# KiCad board Env-F12TKL.kicad_pcb (continued)
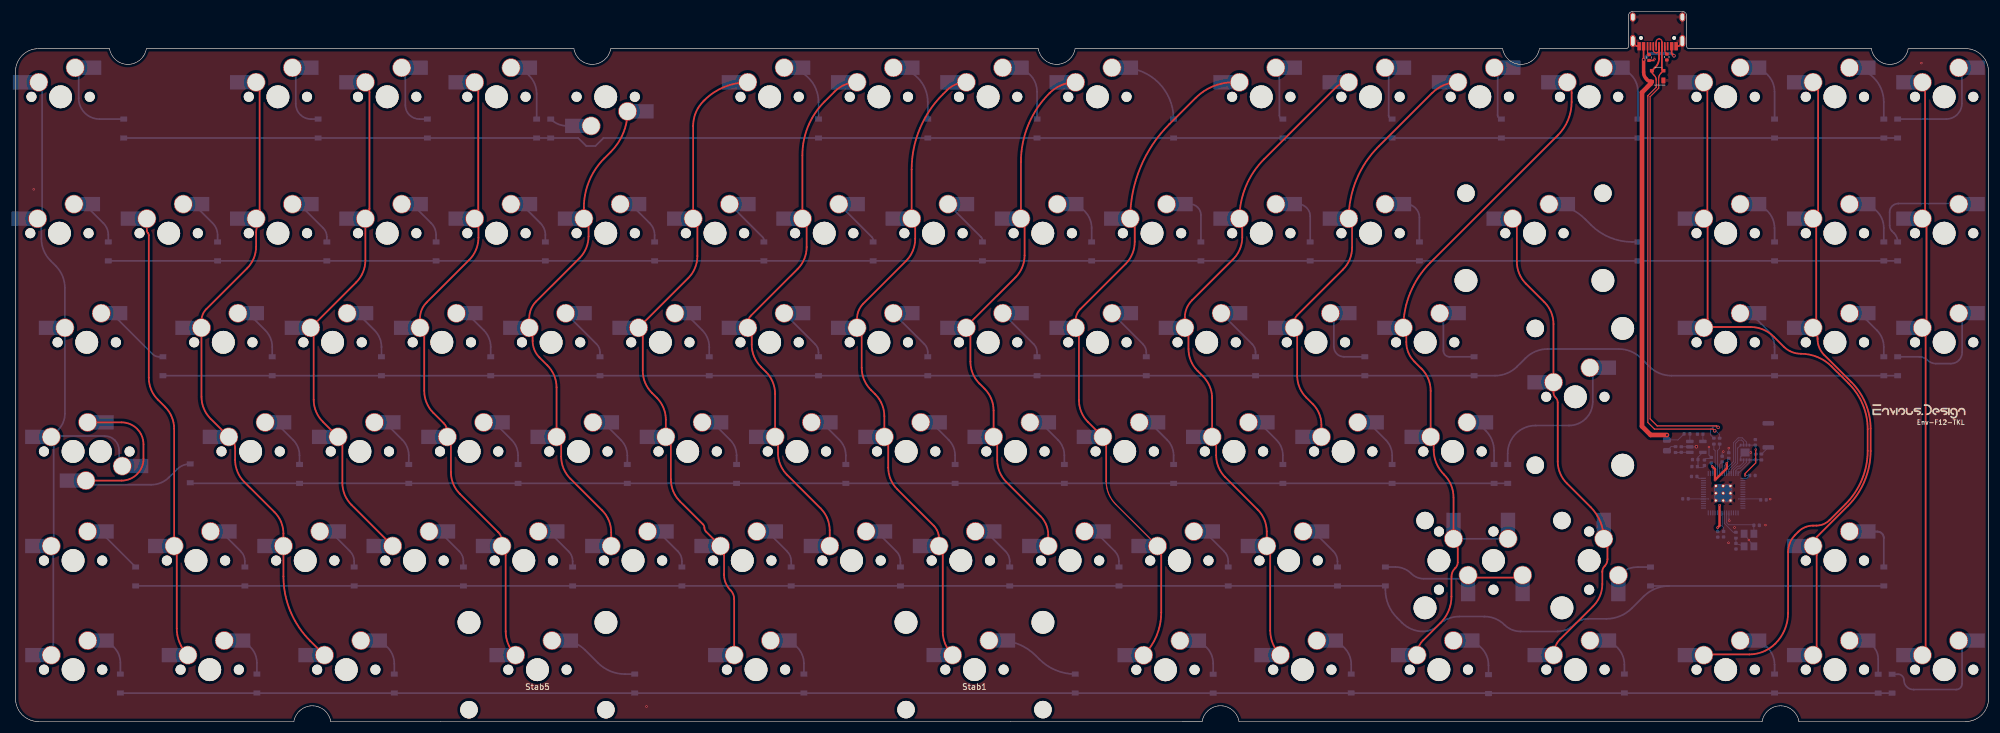
[diagram p0: board, top side]
## Nets (continued)
Net-(D_28-Pad2): D_28.2 K_28.2
Net-(D_29-Pad2): D_29.2 K_29.2
Net-(D_30-Pad2): D_30.2 K_30.2
Net-(D_31-Pad2): D_31.2 K_31.2
Net-(D_32-Pad2): D_32.2 K_32.2
Net-(D_33-Pad2): D_33.2 K_33.2
Net-(D_34-Pad2): D_34.2 K_34.2
Net-(D_35-Pad2): D_35.2 K_35.2
Net-(D_36-Pad2): D_36.2 K_36.2
Net-(D_37-Pad2): D_37.2 K_37.2
Net-(D_38-Pad2): D_38.2 K_38.2
Net-(D_39-Pad2): D_39.2 K_39.2
Net-(D_40-Pad2): D_40.2 K_40.2
Net-(D_41-Pad2): D_41.2 K_41.2
Net-(D_42-Pad2): D_42.2 K_42.2
Net-(D_43-Pad2): D_43.2 K_43.2
Net-(D_44-Pad2): D_44.2 K_44.2
Net-(D_45-Pad2): D_45.2 K_45.2
Net-(D_46-Pad2): D_46.2 K_46.2
Net-(D_47-Pad2): D_47.2 K_47.2
Net-(D_48-Pad2): D_48.2 K_48.2
Net-(D_49-Pad2): D_49.2 K_49.2
Net-(D_50-Pad2): D_50.2 K_50.2
Net-(D_51-Pad2): D_51.2 K_51.2 K_52.2
Net-(D_52-Pad2): D_52.2 K_91.2
Net-(D_53-Pad2): D_53.2 K_53.2
Net-(D_54-Pad2): D_54.2 K_54.2
Net-(D_55-Pad2): D_55.2 K_55.2
Net-(D_56-Pad2): D_56.2 K_56.2
Net-(D_57-Pad2): D_57.2 K_57.2
Net-(D_58-Pad2): D_58.2 K_58.2
Net-(D_59-Pad2): D_59.2 K_59.2
Net-(D_60-Pad2): D_60.2 K_60.2
Net-(D_61-Pad2): D_61.2 K_61.2
Net-(D_62-Pad2): D_62.2 K_62.2
Net-(D_63-Pad2): D_63.2 K_63.2
Net-(D_64-Pad2): D_64.2 K_64.2
Net-(D_65-Pad2): D_65.2 K_65.2
Net-(D_66-Pad2): D_66.2 K_66.2
Net-(D_67-Pad2): D_67.2 K_67.2
Net-(D_68-Pad2): D_68.2 K_68.2
Net-(D_69-Pad2): D_69.2 K_69.2
Net-(D_70-Pad2): D_70.2 K_70.2
Net-(D_71-Pad2): D_71.2 K_71.2
Net-(D_72-Pad2): D_72.2 K_72.2
Net-(D_73-Pad2): D_73.2 K_73.2
Net-(D_74-Pad2): D_74.2 K_74.2
Net-(D_75-Pad2): D_75.2 K_75.2
Net-(D_76-Pad2): D_76.2 K_76.2
Net-(D_77-Pad2): D_77.2 K_77.2 K_89.2
Net-(D_78-Pad2): D_78.2 K_78.2
Net-(D_79-Pad2): D_79.2 K_79.2
Net-(D_80-Pad2): D_80.2 K_80.2
Net-(D_81-Pad2): D_81.2 K_81.2
Net-(D_82-Pad2): D_82.2 K_82.2
Net-(D_83-Pad2): D_83.2 K_83.2
Net-(D_84-Pad2): D_84.2 K_84.2
Net-(D_85-Pad2): D_85.2 K_85.2
Net-(D_86-Pad2): D_86.2 K_86.2
Net-(D_87-Pad2): D_87.2 K_87.2
Net-(D_88-Pad2): D_88.2 K_88.2
Net-(D_89-Pad2): D_89.2 K_92.2
Net-(D_90-Pad2): D_90.2 K_90.2
Net-(F1-Pad1): F1.1 FB1.1
Net-(R6-Pad2): R6.2 U2.47
Net-(R7-Pad2): R7.2 U2.46
Net-(R_USB1-Pad2): R_USB1.2 USB1.10
Net-(R_USB2-Pad2): R_USB2.2 USB1.4

Pads without a net: USB1 3 9

## Via types
v1: diameter 0.4, hole 0.2, Top to Bottom, 21 vias
v2: diameter 0.6, hole 0.35, Top to Bottom, 6 vias

## Routing (per net, layer and track width the routed paths; a pad name or vN(x,y) marks a point on that pad's centre or on a via; arc(x,y) is an arc through that point)
3V3_EN: length 1.3
  Bottom w0.15: R4.1 291.93,48.92
+1V1: length 18.7
  Top w0.4: v1(298.37,45.12) 298.37,44.22 v1(296.31,42.16) 296.31,44.06 v1(295.81,44.56) ; v1(296.76,33.86) 297.11,34.2 v1(297.11,37.76)
  Bottom w0.15: C2.1 296.78,33.83 v1(296.76,33.86) 297.14,34.23 U2.23 ; C13.1 295.66,44.71 v1(295.81,44.56) 295.94,44.43 U2.45 ; U2.50 297.94,44.68 v1(298.37,45.12) 298.57,45.31 298.57,45.84
+3V3: length 30.1
  Top w0.2: v1(303.41,47.48) 303.41,45.16 301.56,43.31 v1(301.56,42.96)
  Bottom w0.15: U2.48 297.14,44.93 C6.1 ; U2.42 293.48,42.46 293.16,42.78 ; C14.1 302.29,48.26 ; 304.12,38.86 U2.10 300.4,38.86 300.38,38.88 ; U1.5 293.34,46.15 293.34,44.41 ; v1(301.56,42.96) 302.35,42.96 301.86,42.46 U2.1 ; R8.1 303.41,48.19 ; 291.66,38.86 U2.33 295.17,38.86 295.18,38.88 ; U2.22 297.54,34.16 297.81,33.88 C10.1 ; U2.49 297.54,45.33 ; 293.41,44.33 294.36,44.33
GND: length 17.5
  Top w0.2: R_USB1.1 285.55,115.42 v1(285.76,115.63)
  Top w0.3: USB1.12 282.89,117.9 arc(282.25,118.17) USB1.13 ; 289.52,117.9 289.7,117.9 arc(290.35,118.17) USB1.13
  Bottom w0.15: 295.47,45.93 294.73,45.93 C12.2 ; Y1.4 v1(302.22,31.7) 303.08,30.58 ; 298.74,35.43 298.74,35.3 298.74,35.3 ; 298.74,35.43 U2.19 ; 298.74,35.43 298.74,35.15 v1(298.81,35.08) ; v1(295.26,47.93) 295.26,46.52 C13.2 ; v1(297.76,47.13) 297.56,46.93 C6.2 ; v1(302.55,46.97) 302.54,46.98 FLASH1.9 300.79,46.23 FLASH1.4 ; C1.2 291.93,47.97 ; 298.71,46.94 v1(298.71,47.73)
  vias: v1(3.18,92.91) v1(110.02,2.62) v1(298.66,31.21) v1(299.71,33.88) v1(305.11,34.31) v1(305.94,38.83) v1(332.3,114.96) v2(293.06,47.98)
VBUS: length 84.7
  Top w0.3: v2(283.86,115.53) 283.85,115.54 USB1.11 ; USB1.2 288.75,116.64 v2(289.16,116.23)
  Top w0.6: 285.15,111.73 285.06,111.73 arc(284.83,111.78) 284.63,111.91 284.33,112.21 arc(283.98,112.73) 283.86,113.35 v2(283.86,115.53)
  Top w0.8: v2(287.93,50.03) 285.08,50.03 283.58,51.54 283.58,109.84 285.08,111.35 arc(285.11,111.49) 285.2,111.62 arc(285.21,111.69) 285.15,111.73
  Bottom w0.15: R4.2 289.84,49.16 F1.2 v2(287.93,50.03)
  Bottom w0.6: v2(289.16,116.23) 288.76,116.63 284.96,116.63 v2(283.86,115.53)
/QSPI_SCLK: length 8.1
  Bottom w0.15: FLASH1.6 301.29,48.8 300.96,49.13 300.46,49.13 299.91,48.58 299.91,45.27 298.74,44.09 U2.52
/QSPI_SD0: length 5.6
  Bottom w0.15: FLASH1.5 300.26,47.73 300.26,45.12 299.14,44 U2.53
/QSPI_SD1: length 3.4
  Bottom w0.15: U2.55 299.94,43.81 300.36,44.23 300.77,44.23 301.79,45.25 FLASH1.2
/QSPI_SD2: length 3.4
  Bottom w0.15: FLASH1.3 301.29,45.25 300.63,44.58 300.22,44.58 299.54,43.9 U2.54
/QSPI_SD3: length 9.3
  Bottom w0.15: U2.51 298.34,44.19 299.56,45.41 299.56,48.73 300.37,49.53 301.06,49.53 301.79,48.8 FLASH1.7
/QSPI_SS: length 6.4
  Bottom w0.15: FLASH1.1 302.29,45.26 U2.56 ; R8.2 302.3,45.68 R9.1
/USB_D+: length 83.7
  Top w0.2: v2(296.26,50.76) 295.95,51.06 285.75,51.06 284.59,52.23 284.59,109.26 286.06,110.73 286.06,111.95 286.06,112.05 286.03,112.25 285.96,112.44 285.87,112.62 285.75,112.78 285.68,112.86 285.45,113.09 285.41,113.14 285.34,113.25 285.31,113.37 285.31,113.43 ; USB1.6 286.55,117.23 arc(286.4,116.88) 286.05,116.73 arc(285.7,116.88) 285.55,117.23 USB1.8
  Top w0.3: D18.3 285.93,114.25 arc(286.39,114.94) 286.55,115.75 USB1.6
  Bottom w0.15: R6.1 297.11,50.11 296.46,50.76 v2(296.26,50.76)
/USB_D-: length 84.7
  Top w0.2: 287.06,117.9 287.06,118.68 arc(286.91,119.04) 286.56,119.18 286.55,119.18 arc(286.2,119.04) 286.05,118.68 USB1.7 ; v2(296.86,51.36) 296.6,51.62 286.22,51.62 284.99,52.85 284.99,109.09 286.49,110.59 286.49,112.34 286.52,112.56 286.59,112.77 286.69,112.96 286.82,113.14 286.9,113.22 287.18,113.5
  Top w0.3: USB1.5 287.05,114.08 arc(287.08,113.91) 287.18,113.76
  Bottom w0.15: R7.1 295.51,50.07 295.51,51.01 295.93,51.43 296.79,51.43 v2(296.86,51.36)
/~{USB_BOOT}: length 1.6
  Bottom w0.15: 304.44,46.7 J1.1
col0: length 113.7
  Bottom w0.3: 6.58,30.29 6.58,11.95 ; 18.06,45.16 18.06,47.33 arc(17.87,48.29) 17.32,49.11 arc(16.5,49.66) 15.53,49.85 6.38,49.85 ; K_34.1 8.61,75.71 arc(8.19,77.79) 7.01,79.55 6.1,80.46 arc(4.92,82.23) 4.51,84.31 4.51,87.13 ; 4.63,111.02 4.63,88.59 ; 6.66,49.26 6.66,31.08 ; 8.61,68.74 8.61,53.77 arc(8.3,52.21) 7.42,50.89 K_52.1
col1: length 77.1
  Top w0.3: K_66.1 27.66,51.11 arc(27.24,53.19) 26.06,54.95 24.83,56.19 arc(23.65,57.95) 23.23,60.04 23.23,84.92 arc(23.19,85.14) 23.06,85.33 arc(22.94,85.52) 22.89,85.74 22.89,87.8 ; 28.11,29.55 28.11,16.27 arc(28.61,13.74) K_80.1
col2: length 108.4
  Top w0.3: 46.71,30.64 46.71,25.33 arc(47.92,19.25) 51.37,14.09 K_81.1 ; K_67.1 46.71,32.83 arc(46.31,34.84) 45.16,36.55 39.88,41.84 arc(38.7,43.6) 38.28,45.69 38.28,47.81 arc(38.14,48.53) 37.73,49.15 ; 36.63,50.25 34.02,52.86 arc(32.84,54.63) 32.42,56.71 32.42,68.74 ; 32.42,69.96 arc(32.64,71.07) 33.27,72.02 40.35,79.1 arc(41.53,80.87) 41.95,82.95 41.95,85.4 arc(42.17,86.5) 42.79,87.44 ; 41.94,87.8 arc(42.4,88.48) 42.56,89.28 42.56,110.12 arc(42.4,110.93) K_1.1
col3: length 88.7
  Top w0.3: 61,87.79 61,80.53 arc(60.58,78.45) 59.4,76.68 K_36.1 ; 56.98,48.94 56.98,41.67 arc(57.4,39.59) 58.58,37.82 K_68.1 ; 51.98,68.23 51.98,56.2 arc(52.4,54.11) 53.58,52.35 K_54.1 ; 60.99,87.8 arc(61.52,88.59) 61.71,89.53 61.71,109.87 arc(61.52,110.81) K_2.1
col4: length 105.7
  Top w0.3: K_37.1 70.52,70.38 arc(70.82,71.89) 71.67,73.17 79.12,80.61 arc(80.3,82.38) 80.71,84.46 80.71,87.13 ; 71.26,68.01 71.26,57.74 arc(71.67,55.65) 72.85,53.89 74.66,52.08 arc(75.12,51.39) 75.28,50.58 ; 75.91,49.07 75.91,43.56 arc(76.32,41.48) 77.5,39.71 84.18,33.03 arc(84.64,32.34) 84.81,31.53 ; 80.04,87.8 arc(80.52,88.51) 80.68,89.35 80.68,110.05 arc(80.52,110.9) K_3.1 ; K_5.1 arc(85.91,13.51) 85.46,15.77 85.46,29.07 arc(85.29,29.92) K_69.1
col5: length 84.2
  Top w0.3: K_70.1 103.86,33.03 arc(103.44,35.11) 102.26,36.88 96.73,42.41 arc(95.55,44.18) 95.13,46.26 95.13,48.89 ; K_38.1 89.57,70.44 arc(89.88,72.01) 90.77,73.34 98.32,80.89 arc(99.5,82.65) 99.91,84.73 99.91,86.98 ; 99.09,87.8 99.09,89.72 arc(100.02,94.38) 102.66,98.33 103.78,99.45 arc(105.95,102.7) K_4.1 ; K_56.1 94.33,58.33 arc(93.92,60.41) 92.74,62.18 91.36,63.56 arc(90.47,64.89) 90.16,66.46 90.16,68.16
col6: length 112.6
  Top w0.3: 109.36,68.01 109.36,61.24 arc(109.77,59.15) 110.95,57.39 111.79,56.55 arc(112.97,54.79) 113.38,52.71 K_57.1 ; 118.88,87.06 118.88,81.27 arc(118.47,79.18) 117.29,77.42 K_39.1 ; 118.14,87.8 118.14,103.98 arc(118.61,106.32) 119.93,108.31 120.1,108.48 arc(123.57,110.8) K_6.1 ; K_82.1 125.3,21.39 arc(125.13,22.22) 124.66,22.93 arc(123.83,24.18) 123.53,25.65 123.53,29.13 arc(123.37,29.95) K_71.1 120.37,33.18 arc(120.18,33.47) 120.11,33.81 arc(120.04,34.15) 119.85,34.44 115.85,38.44 arc(114.67,40.2) 114.26,42.29 114.26,48.82
col7: length 91.1
  Top w0.3: K_58.1 132.43,57.21 arc(132.02,59.29) 130.84,61.05 129.95,61.94 arc(128.77,63.7) 128.36,65.79 128.36,68.06 ; 137.93,87.06 137.93,82.84 arc(137.52,80.75) 136.34,78.99 128.22,70.87 arc(127.81,70.26) 127.67,69.53 ; K_72.1 141.96,33.38 arc(141.54,35.46) 140.36,37.23 134.53,43.06 arc(133.35,44.83) 132.93,46.91 132.93,49.19 ; 137.19,87.8 137.19,98.9 arc(138.2,103.95) 141.06,108.23 142.82,110 arc(144.61,111.19) K_7.1
col8: length 109.6
  Top w0.3: 152.16,49.02 152.16,44.39 arc(152.57,42.3) 153.75,40.54 160.07,34.22 arc(160.76,33.19) 161.01,31.97 ; 156.24,87.8 156.24,96.37 arc(157.66,103.48) 161.68,109.51 162.39,110.21 arc(163.94,111.25) K_8.1 ; 147.53,67.93 147.53,61.76 arc(147.95,59.68) 149.13,57.91 149.89,57.15 arc(151.07,55.39) 151.48,53.31 K_59.1 ; K_41.1 146.72,70.31 arc(147.01,71.75) 147.82,72.97 155.27,80.41 arc(156.45,82.18) 156.86,84.26 156.86,87.18 ; K_73.1 arc(161.49,29.92) 161.66,29.07 161.66,15.77 arc(162.11,13.52) 163.38,11.61
col9: length 91.7
  Top w0.3: 171.16,49.07 171.16,45.66 arc(171.57,43.58) 172.75,41.81 178.69,35.88 arc(179.7,34.36) 180.06,32.58 K_74.1 ; 165.77,68.97 174.34,77.54 arc(175.52,79.3) 175.93,81.39 175.93,87.16 ; 166.48,68.03 166.48,62.84 arc(166.9,60.75) 168.08,58.99 168.94,58.13 arc(170.12,56.36) 170.53,54.28 K_60.1 ; 175.29,87.8 175.29,97.69 arc(176.58,104.18) 180.26,109.68 180.33,109.75 arc(182.39,111.13) K_9.1
col10: length 115
  Top w0.2: K_75.1 191.82,37.94 arc(190.59,39.77) 190.16,41.94
  Top w0.3: 190.16,41.94 190.16,49.12 ; K_61.1 187,52.27 arc(185.82,54.04) 185.41,56.12 185.41,68.16 ; 195.13,87.01 195.13,83.74 arc(194.72,81.65) 193.54,79.89 185.67,72.02 arc(185.04,71.07) 184.82,69.96 ; 194.34,87.8 arc(196.12,96.73) 201.18,104.3 205.76,108.88 arc(208.78,110.9) 212.35,111.61 ; K_75.1 arc(199.59,29.92) 199.76,29.07 199.76,19.01 arc(198.96,14.99) K_91.1
col11: length 114.1
  Top w0.3: K_44.1 203.87,70.52 arc(204.19,72.16) 205.12,73.54 212.29,80.71 arc(213.47,82.48) 213.88,84.56 213.88,87.31 ; 218.76,30.04 218.76,15.92 arc(219.23,13.58) K_83.1 ; 204.51,68.11 204.51,65.06 arc(204.92,62.98) 206.1,61.21 207.04,60.28 arc(208.22,58.51) 208.63,56.43 K_62.1 ; K_76.1 218.16,33.16 arc(217.74,35.24) 216.56,37 210.93,42.64 arc(209.75,44.4) 209.33,46.49 209.33,48.99 ; 213.39,87.8 arc(214.51,93.43) 217.7,98.2 230.18,110.68 arc(231.22,111.37) K_11.1
col12: length 73.5
  Top w0.3: 223.46,68.21 223.46,60.41 arc(223.87,58.33) 225.05,56.56 226.18,55.43 arc(227.29,53.77) 227.68,51.82 K_63.1 ; 233.03,87.21 233.03,82.76 arc(232.62,80.68) 231.44,78.91 223.5,70.97 arc(223.07,70.33) 222.92,69.57 ; K_12.1 arc(249.06,111.13) 247.01,109.76 237.67,100.42 arc(233.8,94.63) 232.44,87.8
col13: length 123.8
  Top w0.3: K_64.1 246.73,57.76 arc(246.32,59.84) 245.14,61.6 243.89,62.85 arc(242.85,64.41) 242.48,66.24 242.48,68.23 ; 247.26,48.42 247.26,47.48 arc(247.73,45.13) 249.06,43.13 arc(250.29,41.29) 250.72,39.13 K_89.1 arc(251.27,31.08) 251.46,30.11 251.46,27.8 arc(251.36,27.28) 251.06,26.83 250.97,26.74 arc(250.52,26.07) 250.36,25.28 250.36,21.82 arc(249.87,19.34) 248.46,17.23 245.44,14.21 arc(244.64,13.01) K_84.1 ; K_13.1 arc(271.11,110.76) 271.31,109.76 271.31,108.16 arc(270.69,105.02) 268.91,102.35 246.68,80.13 arc(243.19,74.91) K_46.1
  Bottom w0.3: K_89.1 260.19,31.9
col14: length 84.1
  Top w0.3: 261.76,87.06 261.76,80.29 arc(262.17,78.2) 263.35,76.44 266.56,73.24 arc(267.74,71.47) 268.15,69.39 K_47.1 268.15,57.46 arc(268.25,56.98) 268.52,56.57 arc(268.79,56.16) 268.88,55.68 268.88,45.44 arc(269.3,43.35) 270.48,41.59 274.61,37.45 arc(276.32,34.91) K_90.1 arc(277.39,31.19) 277.56,30.34 277.56,28.34 arc(277.43,27.69) 277.06,27.13 arc(276.76,26.69) 276.66,26.17 276.66,23.99 arc(276.24,21.9) 275.06,20.13 269.33,14.4 arc(268.47,13.12) K_85.1
col15: length 138.1
  Top w0.3: 294.68,68.88 302.49,68.88 arc(304.68,68.45) 306.54,67.2 308.28,65.46 arc(309.67,64.53) 311.31,64.21 arc(314.19,63.63) 316.63,62 319.63,59 arc(322.07,55.35) 322.93,51.04 322.93,47.29 arc(321.92,42.24) 319.06,37.95 316.26,35.15 arc(315.22,34.46) 313.99,34.21 313.4,34.21 arc(312.02,33.94) 310.86,33.16 310.33,32.63 arc(309.38,31.21) 309.05,29.54 309.05,18.95 arc(308.48,16.06) 306.84,13.61 arc(304.75,12.21) 302.28,11.72 294.66,11.72 ; K_14.1 arc(294.81,110.93) 294.97,110.13 294.97,89.28 arc(294.81,88.48) 294.36,87.8 arc(294.85,87.06) 295.02,86.19 295.02,70.35 arc(294.85,69.48) K_48.1
col16: length 104.3
  Top w0.3: 314.28,88.68 314.28,110.73 ; 313.96,69.3 313.96,87.24 ; K_49.1 arc(313.99,67.88) 314.19,66.85 314.19,66.79 arc(314.49,65.28) 315.35,63.99 320.07,59.27 arc(322.56,55.54) 323.44,51.13 323.44,47.23 arc(322.41,42.04) 319.47,37.64 314.06,32.24 arc(313.58,31.51) K_78.1 arc(313.87,29.95) 314.03,29.13 314.03,13.11 arc(313.87,12.29) K_87.1
col17: length 96.6
  Top w0.3: 332.93,110.51 332.93,88.95 ; 333.18,87.07 333.18,69.48 ; K_88.1 arc(332.88,12.24) 333.03,12.99 333.03,67.35 arc(332.88,68.11) K_50.1
row0: length 310.5
  Bottom w0.3: D_16.1 102.51,101.88 101.11,100.48 99.51,100.48 98.11,101.88 D_0.1
row1: length 312
  Bottom w0.3: D_33.1 D_17.1
row2: length 305.4
  Bottom w0.3: D_50.1 D_48.1 288.72,60.38 arc(286.64,60.8) 284.88,61.98 283.4,63.45 arc(281.64,64.63) 279.56,65.04 267.12,65.04 arc(265.04,64.63) 263.28,63.45 261.8,61.98 arc(260.04,60.8) 257.96,60.38 D_46.1 D_34.1
row3: length 229.6
  Bottom w0.3: D_47.1 30.56,41.58
row4: length 316.7
  Bottom w0.3: 288.3,23.67 325.73,23.67 ; 288.3,23.67 D_90.1 ; 288.3,23.67 arc(285.9,23.19) 283.86,21.83 281.8,19.77 arc(279.76,18.41) 277.35,17.93 274.2,17.93 arc(272.87,17.67) 271.74,16.91 arc(270.43,16.04) 268.89,15.73 262.39,15.73 arc(260.88,16.03) 259.61,16.89 arc(258,17.96) 256.12,18.33 251.68,18.33 arc(249.72,17.94) 248.06,16.83 arc(246.84,16.02) 245.4,15.73 arc(243.42,16.13) 241.74,17.25 240.86,18.13 arc(239.37,20.37) 238.84,23.01 D_77.1 D_65.1
row5: length 308.9
  Bottom w0.3: D_88.1 18.31,4.96
XIN: length 8
  Bottom w0.15: U2.20 298.34,34.7 298.68,34.36 302.98,34.36 ; C15.2 303.08,32.79
XOUT: length 4.5
  Bottom w0.15: U2.21 297.94,34.61 299.5,33.04 R1.1
Net-(C1-Pad1): length 2.5
  Bottom w0.15: FB1.2 290.4,46.97 ; C1.1 U1.1
Net-(C16-Pad2): length 2.4
  Bottom w0.15: R1.2 C16.2 Y1.3
Net-(CBP1-Pad1): length 1.3
  Bottom w0.15: CBP1.1 294.21,48.92
Net-(D_0-Pad2): length 14.6
  Bottom w0.3: 11.01,113.54 11.01,108.83 arc(12.08,106.25) 14.66,105.18 D_0.2
Net-(D_1-Pad2): length 11.2
  Bottom w0.3: 48.86,113.58 48.86,107.83 arc(49.64,105.96) 51.51,105.18 D_1.2
Net-(D_2-Pad2): length 11.1
  Bottom w0.3: D_2.2 70.41,105.18 arc(68.68,105.9) 67.96,107.63 67.96,113.53
Net-(D_3-Pad2): length 9.9
  Bottom w0.3: K_3.2 89.52,112.82 arc(90.51,111.34) 90.86,109.59 D_3.2
Net-(D_4-Pad2): length 5.6
  Bottom w0.3: K_4.2 96.18,103.99 arc(94.63,104.3) D_4.2
Net-(D_5-Pad2): length 14.5
  Bottom w0.3: D_5.2 106.27,8.28 arc(103.72,8.79) 101.56,10.23 99.3,12.49 arc(97.48,13.71) K_5.2
Net-(D_6-Pad2): length 12.4
  Bottom w0.3: D_6.2 140,108.16 arc(138.25,112.4) K_6.2
Net-(D_7-Pad2): length 12.4
  Bottom w0.3: D_7.2 159.05,108.16 arc(157.3,112.4) K_7.2
Net-(D_8-Pad2): length 11.4
  Bottom w0.3: D_8.2 178.1,109.96 arc(176.88,112.92) K_8.2
Net-(D_9-Pad2): length 14.1
  Bottom w0.3: 201.92,105.2 arc(199.3,111.53) K_9.2
Net-(D_10-Pad2): length 8.7
  Bottom w0.3: 220.36,113.53 220.36,105.79 arc(220.54,105.36) D_10.2
Net-(D_11-Pad2): length 8.7
  Bottom w0.3: 239.41,113.53 239.41,105.79 arc(239.59,105.36) D_11.2
Net-(D_12-Pad2): length 8.8
  Bottom w0.3: 258.41,113.58 258.41,105.84 arc(258.6,105.37) D_12.2
Net-(D_13-Pad2): length 11.4
  Bottom w0.3: D_13.2 282.88,109.96 arc(281.65,112.92) K_13.2
Net-(D_14-Pad2): length 11.4
  Bottom w0.3: D_14.2 306.69,109.96 arc(305.47,112.92) K_14.2
Net-(D_15-Pad2): length 12.4
  Bottom w0.3: D_15.2 325.74,108.16 arc(323.99,112.4) K_15.2
Net-(D_16-Pad2): length 18.4
  Bottom w0.3: D_16.2 336.61,105.18 arc(338.55,105.99) 339.36,107.93 339.36,113.6
Net-(D_17-Pad2): length 8.2
  Bottom w0.3: K_17.2 15.32,87.01 arc(15.96,86.06) 16.18,84.94 D_17.2
Net-(D_18-Pad2): length 8.2
  Bottom w0.3: K_18.2 34.37,87.01 arc(35.01,86.06) 35.23,84.94 D_18.2
Net-(D_19-Pad2): length 7.3
  Bottom w0.3: 50.32,89.49 53.64,86.17 arc(54.11,85.46) 54.28,84.63 D_19.2
Net-(D_20-Pad2): length 8.2
  Bottom w0.3: K_20.2 72.47,87.01 arc(73.11,86.06) 73.33,84.94 D_20.2
Net-(D_21-Pad2): length 8.2
  Bottom w0.3: D_21.2 92.38,84.94 arc(92.16,86.06) 91.52,87.01 K_21.2
Net-(D_22-Pad2): length 8.2
  Bottom w0.3: K_22.2 110.57,87.01 arc(111.21,86.06) 111.43,84.94 D_22.2
Net-(D_23-Pad2): length 9.1
  Bottom w0.3: D_23.2 130.48,84.04 arc(130.42,84.33) 130.26,84.57 K_23.2
Net-(D_24-Pad2): length 9.1
  Bottom w0.3: K_24.2 149.31,84.57 arc(149.47,84.33) 149.53,84.04 D_24.2
Net-(D_25-Pad2): length 9.1
  Bottom w0.3: D_25.2 168.58,84.04 arc(168.52,84.33) 168.36,84.57 K_25.2
Net-(D_26-Pad2): length 9
  Bottom w0.3: D_26.2 187.63,86.15 arc(186.4,89.11) K_26.2
Net-(D_27-Pad2): length 7.7
  Bottom w0.3: D_27.2 206.68,88.42 arc(206.12,89.78) 204.77,90.34
Net-(D_28-Pad2): length 7.8
  Bottom w0.3: D_28.2 225.73,88.2 arc(225.1,89.71) 223.59,90.34
Net-(D_29-Pad2): length 8
  Bottom w0.3: D_29.2 244.78,87.97 arc(244.08,89.66) 242.39,90.36
Net-(D_30-Pad2): length 17.4
  Bottom w0.3: D_30.2 281.86,83.73 arc(277.98,84.5) 274.69,86.7 273.66,87.73 arc(270.77,89.66) K_30.2
Net-(D_31-Pad2): length 9
  Bottom w0.3: D_31.2 306.69,86.15 arc(305.47,89.11) K_31.2
Net-(D_32-Pad2): length 9
  Bottom w0.3: D_32.2 325.74,86.15 arc(324.52,89.11) K_32.2
Net-(D_33-Pad2): length 18.4
  Bottom w0.3: 338.71,90.43 328.26,90.43 arc(327.2,89.99) 326.76,88.93 326.76,86.6 arc(326.86,86.08) 327.16,85.63 327.52,85.27 arc(327.99,84.56) D_33.2
Net-(D_34-Pad2): length 12
  Bottom w0.3: K_34.2 23.89,64.16 arc(24.41,63.81) 25.03,63.68 D_34.2
Net-(D_35-Pad2): length 9.2
  Bottom w0.3: D_35.2 44.75,65.39 arc(44.44,66.97) 43.54,68.31 K_35.2
Net-(D_36-Pad2): length 9.2
  Bottom w0.3: D_36.2 63.8,65.39 arc(63.49,66.97) 62.59,68.31 K_36.2
Net-(D_37-Pad2): length 9.2
  Bottom w0.3: K_37.2 81.64,68.31 arc(82.54,66.97) 82.85,65.39 D_37.2
Net-(D_38-Pad2): length 10
  Bottom w0.3: K_38.2 101.33,65.87 arc(101.75,65.24) 101.9,64.49 D_38.2
Net-(D_39-Pad2): length 9.2
  Bottom w0.3: K_39.2 119.74,68.31 arc(120.64,66.97) 120.95,65.39 D_39.2
Net-(D_40-Pad2): length 10
  Bottom w0.3: D_40.2 140,64.49 arc(139.85,65.24) 139.43,65.87 K_40.2
Net-(D_41-Pad2): length 10
  Bottom w0.3: K_41.2 158.48,65.87 arc(158.9,65.24) 159.05,64.49 D_41.2
Net-(D_42-Pad2): length 10
  Bottom w0.3: K_42.2 177.53,65.87 arc(177.95,65.24) 178.1,64.49 D_42.2
Net-(D_43-Pad2): length 10
  Bottom w0.3: K_43.2 196.58,65.87 arc(197,65.24) 197.15,64.49 D_43.2
Net-(D_44-Pad2): length 10
  Bottom w0.3: D_44.2 216.2,64.49 arc(216.05,65.24) 215.63,65.87 K_44.2
Net-(D_45-Pad2): length 11.7
  Bottom w0.3: D_45.2 231.61,63.68 arc(230.37,64.19) 229.86,65.43 229.86,70.7
Net-(D_46-Pad2): length 11.9
  Bottom w0.3: D_46.2 250.01,63.68 arc(249.27,63.99) 248.96,64.73 248.96,70.65
Net-(D_47-Pad2): length 28.4
  Bottom w0.3: K_47.2 275,60.47 275,55.83 arc(274.68,54.24) 273.78,52.9 arc(272.44,52) 270.85,51.68 265.03,51.68 arc(261.59,50.26) 260.17,46.82 D_47.2
Net-(D_48-Pad2): length 9.2
  Bottom w0.3: K_48.2 305.48,68.31 arc(306.38,66.97) 306.69,65.39 D_48.2
Net-(D_49-Pad2): length 9.2
  Bottom w0.3: K_49.2 324.53,68.31 arc(325.43,66.97) 325.74,65.39 D_49.2
Net-(D_50-Pad2): length 18.9
  Bottom w0.3: D_50.2 331.95,63.68 arc(332.73,63.53) 333.38,63.09 arc(334.04,62.65) 334.82,62.49 337.44,62.49 arc(338.19,62.64) 338.82,63.07 arc(339.25,63.7) 339.4,64.46 339.4,70.69
Net-(D_51-Pad2): length 45.3
  Top w0.3: K_52.2 18.47,52.24 arc(21.19,51.11) 22.31,48.4 22.31,45.89 arc(21.19,43.18) 18.49,42.06 K_51.2
  Bottom w0.3: 12.99,41.34 23.65,41.34 arc(25.33,41.68) 26.76,42.63 28.16,44.03 arc(29.21,44.73) D_51.2
Net-(D_52-Pad2): length 8.1
  Bottom w0.3: D_52.2 208.81,10.13 arc(207.65,12.95) K_91.2
Net-(D_53-Pad2): length 8.9
  Bottom w0.3: D_53.2 49.52,46.47 arc(49.22,47.93) 48.4,49.17 K_53.2
Net-(D_54-Pad2): length 8.9
  Bottom w0.3: D_54.2 68.57,46.47 arc(68.27,47.93) 67.45,49.17 K_54.2
Net-(D_55-Pad2): length 8.9
  Bottom w0.3: D_55.2 87.62,46.47 arc(87.32,47.93) 86.5,49.17 K_55.2
Net-(D_56-Pad2): length 8.9
  Bottom w0.3: D_56.2 106.67,46.47 arc(106.37,47.93) 105.55,49.17 K_56.2
Net-(D_57-Pad2): length 8.9
  Bottom w0.3: D_57.2 125.72,46.47 arc(125.42,47.93) 124.6,49.17 K_57.2
Net-(D_58-Pad2): length 8.9
  Bottom w0.3: D_58.2 144.77,46.47 arc(144.47,47.93) 143.65,49.17 K_58.2
Net-(D_59-Pad2): length 8.9
  Bottom w0.3: K_59.2 162.7,49.17 arc(163.52,47.93) 163.82,46.47 D_59.2
Net-(D_60-Pad2): length 8.9
  Bottom w0.3: D_60.2 182.87,46.47 arc(182.57,47.93) 181.75,49.17 K_60.2
Net-(D_61-Pad2): length 8.9
  Bottom w0.3: D_61.2 201.92,46.47 arc(201.62,47.93) 200.8,49.17 K_61.2
Net-(D_62-Pad2): length 8.9
  Bottom w0.3: K_62.2 219.85,49.17 arc(220.67,47.93) 220.97,46.47 D_62.2
Net-(D_63-Pad2): length 8.9
  Bottom w0.3: K_63.2 238.9,49.17 arc(239.72,47.93) 240.02,46.47 D_63.2
Net-(D_64-Pad2): length 8.3
  Bottom w0.3: D_64.2 257.79,47.27 arc(257.41,49.17) 256.34,50.78 K_64.2
Net-(D_65-Pad2): length 8.8
  Bottom w0.3: 14.74,33.19 D_65.2
Net-(D_66-Pad2): length 7.8
  Bottom w0.3: K_66.2 39.28,29.72 arc(39.81,28.93) 39.99,27.99 D_66.2
Net-(D_67-Pad2): length 7.8
  Bottom w0.3: D_67.2 59.04,27.99 arc(58.86,28.93) 58.33,29.72 K_67.2
Net-(D_68-Pad2): length 7.8
  Bottom w0.3: K_68.2 77.38,29.72 arc(77.91,28.93) 78.09,27.99 D_68.2
Net-(D_69-Pad2): length 7.8
  Bottom w0.3: K_69.2 96.43,29.72 arc(96.96,28.93) 97.14,27.99 D_69.2
Net-(D_70-Pad2): length 7.8
  Bottom w0.3: K_70.2 115.48,29.72 arc(116.01,28.93) 116.19,27.99 D_70.2
Net-(D_71-Pad2): length 7.8
  Bottom w0.3: K_71.2 134.53,29.72 arc(135.06,28.93) 135.24,27.99 D_71.2
Net-(D_72-Pad2): length 7.8
  Bottom w0.3: D_72.2 154.29,27.99 arc(154.11,28.93) 153.58,29.72 K_72.2
Net-(D_73-Pad2): length 7.8
  Bottom w0.3: K_73.2 172.63,29.72 arc(173.16,28.93) 173.34,27.99 D_73.2
Net-(D_74-Pad2): length 7.8
  Bottom w0.3: D_74.2 192.39,27.99 arc(192.21,28.93) 191.68,29.72 K_74.2
Net-(D_75-Pad2): length 7.8
  Bottom w0.3: K_75.2 210.73,29.72 arc(211.26,28.93) 211.44,27.99 D_75.2
Net-(D_76-Pad2): length 7.8
  Bottom w0.3: K_76.2 229.78,29.72 arc(230.31,28.93) 230.49,27.99 D_76.2
Net-(D_77-Pad2): length 23.7
  Top w0.3: 253.72,25.13 262.33,25.13
  Bottom w0.3: D_77.2 240.58,26.98 arc(242.09,26.68) 243.36,25.83 arc(244.36,25.17) 245.53,24.93 251.76,24.93 arc(252.57,25.09) K_89.2
Net-(D_78-Pad2): length 16.4
  Bottom w0.3: D_78.2 325.74,32.05 ; 325.74,32.05 arc(325.42,32.82) 324.66,33.13 321.61,33.13 ; 325.74,32.05 arc(325.41,32.85) 324.6,33.19 K_78.2
Net-(D_79-Pad2): length 8.1
  Bottom w0.3: D_79.2 18.28,10.24 arc(17.14,12.99) K_79.2
Net-(D_80-Pad2): length 8.1
  Bottom w0.3: D_80.2 42.08,10.25 arc(40.95,13) K_80.2
Net-(D_81-Pad2): length 8.2
  Bottom w0.3: D_81.2 66.04,10.11 arc(64.86,12.96) K_81.2
Net-(D_82-Pad2): length 8.1
  Bottom w0.3: D_82.2 137.46,10.13 arc(136.29,12.97) K_82.2
Net-(D_83-Pad2): length 8.2
  Bottom w0.3: D_83.2 232.88,9.95 arc(231.66,12.91) K_83.2
Net-(D_84-Pad2): length 8.4
  Bottom w0.3: D_84.2 256.82,9.83 arc(255.56,12.88) K_84.2
Net-(D_85-Pad2): length 8.2
  Bottom w0.3: D_85.2 280.51,9.95 arc(279.28,12.92) K_85.2
Net-(D_86-Pad2): length 8.2
  Bottom w0.3: D_86.2 306.69,9.95 arc(305.47,12.91) K_86.2
Net-(D_87-Pad2): length 7.7
  Bottom w0.3: 324.76,8.26 324.76,10.93 arc(323.82,13.2) K_87.2
Net-(D_88-Pad2): length 21.3
  Bottom w0.3: 327.18,8.26 328.23,8.26 arc(328.96,7.96) 329.26,7.23 arc(329.74,6.07) 330.91,5.58 338.36,5.58 arc(339.08,5.88) 339.38,6.61 339.38,13.56
Net-(D_89-Pad2): length 14.9
  Bottom w0.3: D_89.2 arc(181.39,8.95) 178.53,10.86 177.86,11.53 arc(174.96,13.47) 171.55,14.15
Net-(D_90-Pad2): length 6
  Bottom w0.3: D_90.2 282.87,26.97 arc(281.02,26.6) K_90.2
Net-(F1-Pad1): length 1.8
  Bottom w0.15: FB1.1 288.64,47.99 F1.1
Net-(R6-Pad2): length 5.3
  Bottom w0.15: U2.47 296.74,47.31 297.11,47.68 R6.2
Net-(R7-Pad2): length 5.2
  Bottom w0.15: R7.2 296.11,47.51 296.34,47.28 U2.46
Net-(R_USB1-Pad2): length 1.4
  Top w0.2: USB1.10 284.55,116.89 arc(284.58,116.72) 284.68,116.57
Net-(R_USB2-Pad2): length 1.5
  Top w0.2: USB1.4 287.55,117.15 arc(287.6,116.91) 287.73,116.71 R_USB2.2

## Copper pours and planes (outline as drawn; the poured copper is in the pictures)
+1V1 on Bottom: 295.79,41.61 299.49,41.61 299.49,38.11 296.76,38.11 296.76,37.43 297.44,37.43 297.44,37.71 299.94,37.71 299.94,42.08 296.94,42.08 296.94,42.71 296.09,42.71 296.09,43.78 295.79,43.78
+3V3 on Bottom: 293.71,45.1 293.71,42.32 294.88,42.32 294.88,37.01 297.38,37.01 297.39,35.93 297.68,35.93 297.69,37.01 300.59,37.01 300.58,42.31 301.68,42.31 301.68,42.66 297.63,42.66 297.63,43.81 297.03,43.81 297.03,42.08 299.94,42.08 299.94,37.71 297.44,37.71 297.44,37.43 296.76,37.43 296.76,38.11 295.99,38.11 295.99,41.3 295.64,41.3 295.64,44.01 295.57,44.01 295.57,45.1
GND on Top, Bottom: 344.05,-0.05 -0.05,-0.05 -0.05,124.02 344.05,124.02
GND on Bottom: 311.36,28.33 284.46,28.36 284.46,56.13 311.36,56.13

## Text on the board
F.Silkscreen: Env-F12-TKL
